# Altium PCB DD2088PoE_Daisy_Chain.PcbDoc (part 4 of 6) (continued)
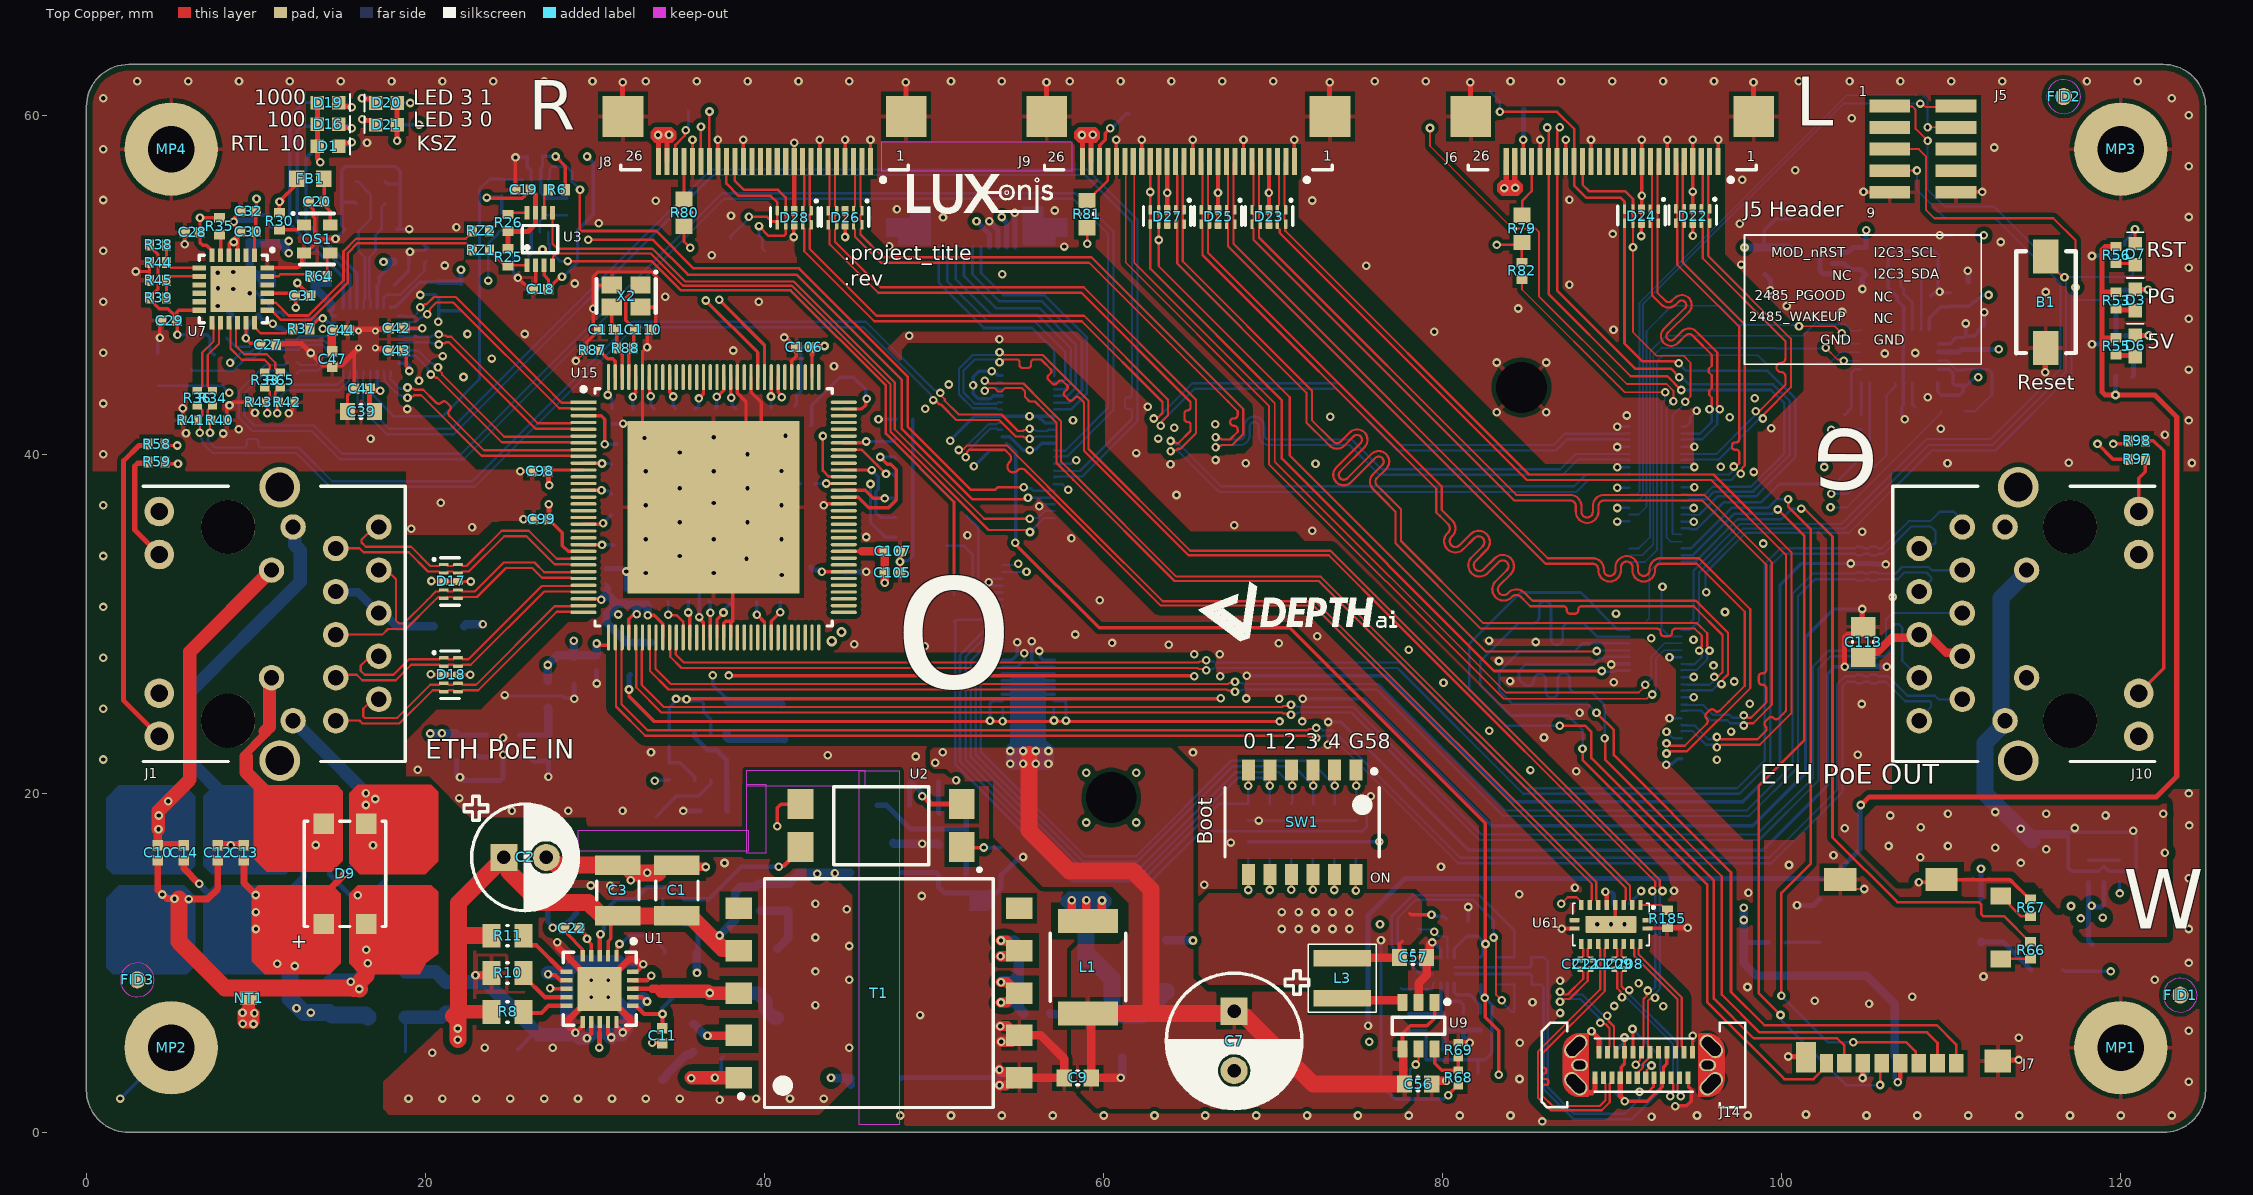
[diagram p0: Top Copper view]
## Nets (pads, with @x,y where several pads share a name; then routed paths per layer and width w, separated by ;. In a path a pad name is that pad's centre, name@x,y a point inside that pad or via, vN(x,y) a via of type N, cw(c..) or ccw(c..) an arc to the next point about the centre after c; other vN are vias at no path point) (continued)
  other v2: 16.05,47.275 17.05,47.275
  other v3: 58.983,18.283 61.917,18.283 58.983,21.217 61.917,21.217 83.183,42.483 86.117,42.483 83.183,45.417 86.117,45.417
GPIO7/sd_hst_cd: J2.59 R66.2 | length 43.2
  Top Copper w0.152: v1(101.15,36.8) 101.2,36.75 101.386,36.75 102.993,35.142 102.993,17.407 106.819,13.581 111.64,13.581 111.76,13.461 111.76,12.88 111.889,12.751 113.124,12.751 114.626,11.25 R66.2@114.676,11.25
  Bottom Copper w0.152: J2.59@94.09,33.65 94.874,33.65 97.395,36.171 99.971,36.171 100.6,36.8 v1(101.15,36.8)
GPIO58: J3.28 R27.1 R63.1 SW1.1 | length 43.4
  Top Copper w0.152: SW1.1@74.885,21.375 74.901,21.359 v1(74.901,20.45)
  Bottom Copper w0.152: R27.1@51.175,30.15 R27.1@51.25,30.075 ; J3.28@54.01,30.25 51.35,30.25 51.25,30.15 R27.1@51.25,30.075 ; v1(74.901,20.45) R63.1@74.9,19.4 R63.1@74.9,19.4 74.95,19.4 75.503,18.847 ; 75.513,18.847 75.513,17.994 75.284,17.765 65.739,17.765 62.803,14.83 58.134,14.83 51.25,21.714 R27.1@51.25,30.075
HSO: R8.2 U1.10 | length 2.7
  Top Copper w0.254: R8.2@25.789,7.109 25.849,7.05 26.84,7.05 27.265,7.475 U1.10@28.323,7.475
I2C0_SCL: J3.34 TP1.1 | length 5.7
  Bottom Copper w0.152: TP1.1@50.75,34.6 51.77,34.6 52.275,34.095 52.275,32.225 53.05,31.45 J3.34@54.01,31.45
I2C0_SDA: J3.36 TP2.1 | length 5.9
  Bottom Copper w0.152: TP2.1@51.925,36.375 52.609,35.691 52.609,32.341 53.1,31.85 J3.36@54.01,31.85
I2C1_SCL: J2.35 J9.20 | length 52.8
  Top Copper w0.102: J9.20@61.75,57.275 61.801,57.224 61.801,51.311 70.1,43.012 70.1,39.568 83.718,25.95 91.575,25.95 91.948,26.323 v1(91.948,26.417)
  Bottom Copper w0.102: v1(91.948,26.417) 92.301,26.77 92.301,28.065 93.086,28.85 J2.35@94.09,28.85
I2C1_SDA: J2.33 J9.21 | length 53.8
  Top Copper w0.102: J9.21@61.25,57.275 61.301,57.224 61.301,51.317 69.75,42.867 69.75,39.424 83.599,25.575 92.042,25.575 92.303,25.837 v1(92.355,25.837)
  Bottom Copper w0.102: v1(92.355,25.837) 92.355,25.873 92.582,26.099 92.582,27.979 93.052,28.45 J2.33@94.09,28.45
I2C2_SCL: J2.77 J6.20 J8.20 | length 91
  Top Copper w0.152: J8.20@36.75,57.275 v1(36.75,60.225) ; v1(86.9,59.3) 86.9,59.204 86.75,59.054 J6.20@86.75,57.275 86.75,49.65 91.347,45.053 93.455,45.053 v1(93.952,44.555)
  Signal Layer 2 w0.152: v1(36.75,60.225) 37.641,61.116 85.084,61.116 v1(86.9,59.3)
  Bottom Copper w0.152: v1(93.952,44.555) 94.049,44.555 94.166,44.438 94.213,44.438 94.526,44.125 99.488,44.125 100.471,43.141 100.471,39.957 98.314,37.8 96,37.8 95.548,37.348 94.548,37.348 94.464,37.264 94.104,37.264 J2.77@94.09,37.25
I2C2_SDA: J2.79 J6.21 J8.21 | length 89.7
  Top Copper w0.15: J8.21@36.25,57.275 v1(36.25,59.325) ; v1(86.175,59.275) 86.162,59.262 86.162,59.138 86.25,59.05 J6.21@86.25,57.275 86.25,49.45 91.094,44.606 93.258,44.606 v1(94.07,43.794)
  Signal Layer 2 w0.15: v1(36.25,59.325) 36.281,59.325 36.75,59.794 37.026,59.794 38.04,60.809 84.641,60.809 v1(86.175,59.275)
  Bottom Copper w0.15: v1(94.07,43.794) 99.378,43.794 100.15,43.022 100.15,40.06 98.177,38.087 95.92,38.087 95.434,37.601 94.453,37.601 94.419,37.635 94.105,37.635 J2.79@94.09,37.65
I2C3_SCL: J2.78 J5.2 | length 35.7
  Top Copper w0.102: v1(108.176,60.69) 108.286,60.69 108.494,60.482 110.217,60.482 J5.2@110.275,60.54
  Bottom Copper w0.102: J2.78@91.01,37.25 91.508,37.25 91.666,37.408 91.81,37.552 91.81,48.855 103.645,60.69 v1(108.176,60.69)
I2C3_SDA: J2.80 J5.4 | length 37.3
  Top Copper w0.102: v1(108.6,59.3) 110.245,59.3 J5.4@110.275,59.27
  Bottom Copper w0.102: J2.80@91.01,37.65 91.47,37.65 91.607,37.787 91.607,48.939 103.852,61.184 108.325,61.184 108.6,60.909 v1(108.6,59.3)
I2C4_SCL1_3v3: RZ2.2 U7.20 | length 15.5
  Top Copper w0.152: U7.20@10.667,49 10.726,48.941 11.176,48.941 11.926,48.191 13.087,48.191 15.164,50.268 15.164,51.973 15.917,52.726 22.376,52.726 22.775,53.125 RZ2.2@22.775,53.175
I2C4_SCL_1V8: J3.59 U3.5 | length 40
  Top Copper w0.127: U3.5@27.5,54.25 27.5,52.408 27.783,52.125 33.389,52.125 35.317,50.197 41.72,50.197 47.68,44.238 47.68,41.471 52.95,36.2 v1(55.652,36.2)
  Bottom Copper w0.127: v1(55.652,36.2) 55.689,36.238 56.096,36.238 56.508,36.65 J3.59@57.09,36.65
I2C4_SCL_3v3: R26.2 RZ2.1 U3.8 | length 2.7
  Top Copper w0.152: RZ2.1@23.775,53.175 23.775,53.225 23.974,53.424 24.024,53.424 24.85,54.25 U3.8@26,54.25
I2C4_SDA1_3v3: RZ1.2 U7.19 | length 15.4
  Top Copper w0.152: U7.19@10.667,48.5 10.917,48.5 10.991,48.426 10.991,48.413 11.467,47.937 13.208,47.937 15.418,50.147 15.418,51.868 16.003,52.453 22.372,52.453 22.526,52.299 22.576,52.299 22.775,52.1 RZ1.2@22.775,52.05
I2C4_SDA_1V8: J3.57 U3.4 | length 39
  Top Copper w0.127: U3.4@27.5,51.15 27.532,51.182 27.532,51.666 27.716,51.85 33.288,51.85 35.195,49.943 41.615,49.943 47.426,44.132 47.426,41.324 53.21,35.54 55.429,35.54 55.553,35.416 v1(55.656,35.416)
  Bottom Copper w0.127: v1(55.656,35.416) 56.489,36.25 J3.57@57.09,36.25
I2C4_SDA_3v3: R25.2 RZ1.1 U3.1 | length 2.6
  Top Copper w0.152: RZ1.1@23.775,52.05 23.775,52 23.974,51.801 24.024,51.801 24.675,51.15 U3.1@26,51.15
ISNS: R13.1 TP10.1 U1.1 U1.8 | length 13.2
  Top Copper w0.203: v1(27.35,8.5) 27.362,8.488 28.311,8.488 U1.8@28.323,8.475 ; U1.1@31.273,10.425 31.296,10.448 31.296,10.962 31.44,11.106 31.44,11.109 v1(31.446,11.115)
  Signal Layer 2 w0.203: v1(27.35,8.5) 26.524,8.5 26.314,8.709 26.314,10.109 26.814,10.609 30.17,10.609 30.676,11.115 v1(31.446,11.115)
  Bottom Copper w0.203: v1(31.446,11.115) 31.528,11.115 32.011,11.598 TP10.1@32.221,11.598 33.106,11.598 33.515,11.189 33.69,11.189 34.113,10.765 R13.1@34.113,10.59
LED0_10_GRN: R70.1 U4.27 | length 11.2
  Bottom Copper w0.2: R70.1@13.75,58.175 13.75,58.125 13.575,57.95 13.425,57.95 12.954,57.479 12.954,53.684 15.95,50.688 U4.27@15.95,48.65
LED0_10_GRN1: D1.1 R70.2 | length 1.9
  Top Copper w0.3: D1.1@14.875,58.125 15.111,58.361 15.617,58.361 v1(15.657,58.4)
  Bottom Copper w0.3: R70.2@14.75,58.125 14.75,58.15 14.875,58.275 15.475,58.275 15.6,58.4 v1(15.657,58.4)
LED1_0: R74.1 U15.105 | length 30.5
  Top Copper w0.2: v1(37.32,49.125) 39.998,46.447 U15.105@39.998,44.552
  Signal Layer 2 w0.2: v1@19.571,59.45 19.571,57.179 22.11,54.64 31.805,54.64 34.605,51.841 v1(37.32,49.125)
  Bottom Copper w0.2: R74.1@18.2,59.438 18.212,59.45 v1(19.621,59.45)
LED1_1: R73.1 R90.2 U15.106 | length 45.1
  Top Copper w0.2: v1(36.536,49.071) 39.598,46.009 U15.106@39.598,44.552
  Signal Layer 2 w0.2: v1@19.05,60.739 19.05,57.013 21.936,54.127 31.48,54.127 34.05,51.557 v1(36.536,49.071) 38.107,47.5 39.231,47.5 40.426,46.305 41.695,46.305 45.926,42.074 v1(46.719,42.074)
  Bottom Copper w0.2: R73.1@18.2,60.725 v1(19.1,60.725) ; v1@46.948,42.067 R90.2@47.75,42.067
LED1_100_OR: R71.1 U4.26 | length 13.2
  Bottom Copper w0.2: R71.1@13.75,59.463 13.635,59.348 13.3,59.348 13.292,59.348 12.715,59.348 12.426,59.059 12.426,53.693 15.55,50.569 U4.26@15.55,48.65
LED1_100_OR1: D16.1 R71.2 | length 1.9
  Top Copper w0.3: D16.1@14.875,59.512 15.111,59.277 15.617,59.277 v1(15.657,59.237)
  Bottom Copper w0.3: R71.2@14.75,59.512 14.75,59.488 14.875,59.363 15.475,59.363 15.6,59.237 v1(15.657,59.237)
LED2_0: R93.2 U15.89 | length 3.7
  Top Copper w0.15: U15.89@44.674,40.277 44.683,40.267 45.742,40.267 46.634,39.376 v1(47.166,38.844)
  Bottom Copper w0.15: v1@47.223,38.842 47.55,38.842 47.75,38.642 R93.2@47.75,38.592
LED2_1: R91.2 U15.90 | length 3.2
  Top Copper w0.2: U15.90@44.674,40.677 45.83,40.677 45.913,40.76 v1(45.997,40.76)
  Bottom Copper w0.2: v1(45.997,40.76) 47.602,40.76 R91.2@47.75,40.908
LED2_1000_GRN: R72.1 U4.25 | length 14.7
  Bottom Copper w0.2: 12.825,60.75 13.1,60.75 R72.1@13.75,60.75 ; 12.828,60.763 12,59.935 12,53.587 15.15,50.437 U4.25@15.15,48.65
LED2_1000_GRN1: D19.1 R72.2 | length 1.9
  Top Copper w0.3: D19.1@14.875,60.75 15.111,60.514 15.617,60.514 v1(15.657,60.475)
  Bottom Copper w0.3: R72.2@14.75,60.75 14.75,60.725 14.875,60.6 15.475,60.6 15.6,60.475 v1(15.657,60.475)
LED3_0: R58.1 U15.85 | length 46.6
  Top Copper w0.15: v1(43.444,41.083) 43.439,41.078 43.439,39.038 43.784,38.693 43.952,38.693 43.959,38.687 44.664,38.687 U15.85@44.674,38.677
  Top Copper w0.2: R58.1@4.675,40.525 4.681,40.519 v1(5.36,40.519)
  Signal Layer 2 w0.2: v1@5.36,40.525 5.437,40.525 5.593,40.369 5.781,40.181 22.904,40.181 27.748,45.025 40.542,45.025 42.081,43.486 42.081,42.445 v1(43.444,41.083)
LED3_0_1: D21.1 R74.2 | length 2.1
  Top Copper w0.3: v1(16.263,59.767) 16.319,59.767 16.399,59.688 16.825,59.688 D21.1@17.075,59.438
  Bottom Copper w0.3: v1(16.263,59.767) 16.303,59.727 16.45,59.727 16.489,59.688 16.899,59.688 16.974,59.613 17.075,59.613 17.2,59.488 R74.2@17.2,59.438
LED3_0_100_OR1: J1.18 R58.2 | length 19
  Top Copper w0.3: R58.2@3.675,40.525 3.1,40.525 2.2,39.625 2.2,25.469 J1.18@4.299,23.37
LED3_1: R59.1 R95.2 U15.86 | length 52.5
  Top Copper w0.15: U15.86@44.674,39.077 44.676,39.075 v1(46.326,39.072) v1(46.326,39.072)
  Top Copper w0.2: R59.1@4.675,39.475 4.7,39.45 v1(5.4,39.45)
  Signal Layer 2 w0.2: v1(5.4,39.45) 5.76,39.81 23.118,39.81 27.92,44.611 40.432,44.611 41.603,43.44 41.603,42.279 43.506,40.377 45.021,40.377 v1(46.326,39.072)
  Bottom Copper w0.2: v1(46.326,39.072) 46.326,39.045 46.704,38.667 46.704,37.942 46.565,37.804 46.565,36.557 46.847,36.275 R95.2@47.75,36.275
LED3_1_1: D20.1 R73.2 | length 2
  Top Copper w0.3: v1(16.255,61.007) 16.295,60.967 16.833,60.967 D20.1@17.075,60.725
  Bottom Copper w0.3: v1(16.255,61.007) 16.829,61.007 16.935,60.9 17.075,60.9 17.2,60.775 R73.2@17.2,60.725
LED3_1_1000_GRN1: J1.16 R59.2 | length 6.7
  Top Copper w0.3: R59.2@3.675,39.475 3.026,39.475 2.85,39.299 2.85,35.539 J1.16@4.299,34.09
LED4_0: R92.2 R97.1 U15.82 | length 86.4
  Top Copper w0.2: U15.82@44.674,37.477 45.517,37.477 46.151,36.842 47.311,36.842 47.775,37.306 47.775,39.097 47.446,39.426 47.245,39.426 v1(46.828,39.843) ; v1(118.625,40.613) 119.539,39.7 R97.1@120.45,39.7
  Signal Layer 2 w0.2: v1(46.828,39.843) 46.881,39.843 47.317,39.407 47.465,39.407 47.813,39.06 47.813,38.88 48.547,38.145 52.282,38.145 55.876,34.552 95.498,34.552 101.58,40.633 118.605,40.633 v1(118.625,40.613)
  Bottom Copper w0.2: v1(46.828,39.843) 47.657,39.843 R92.2@47.75,39.75
LED4_0_100_OR1: J10.18 R97.2 | length 3.2
  Top Copper w0.2: J10.18@121.06,36.63 121.06,38.585 121.45,38.975 R97.2@121.45,39.7
LED4_1: R94.2 R98.1 U15.83 | length 80.9
  Top Copper w0.2: U15.83@44.674,37.877 45.938,37.877 46.417,37.398 v1(47.095,37.398) ; v1(119.547,40.613) 120.275,40.613 120.45,40.788 R98.1@120.45,40.8
  Signal Layer 2 w0.2: v1(47.095,37.398) 47.119,37.422 51.188,37.422 54.559,34.051 95.705,34.051 101.787,40.133 119.103,40.133 119.547,40.577 v1(119.547,40.613)
  Bottom Copper w0.2: v1(47.095,37.398) 47.715,37.398 R94.2@47.75,37.433
LED4_1_1000_GRN1: J10.16 R98.2 | length 16.6
  Top Copper w0.2: J10.16@121.06,25.91 122.525,27.375 122.525,40.2 121.925,40.8 R98.2@121.45,40.8
  Top Copper w0.508: J10.16@121.06,25.91 J10.16@121.396,25.91 ; R98.2@121.45,40.8 121.45,40.766 R98.2@121.471,40.745
LED5_0: U15.102
LED5_1: R96.2 U15.103 | length 13.5
  Top Copper w0.2: U15.103@40.798,44.552 40.798,43.67 41.022,43.446 v1(41.022,43.362)
  Signal Layer 2 w0.2: v1(41.022,43.362) 41.027,43.357 41.027,42.096 43.253,39.871 44.628,39.871 v1(46.248,38.251)
  Bottom Copper w0.2: v1(46.248,38.251) 46.248,36.002 47.133,35.117 R96.2@47.75,35.117
MIPI_C_N: D25.1 D25.10 J2.3 J9.8 | length 59.2
  Top Copper w0.13: J9.8@67.75,57.275 67.665,57.19 67.665,56.466 67.662,56.464 67.662,52.413 86.201,33.874 87.96,33.874 88.844,33.874 cw(c88.844,33.209) 89.509,33.209 89.509,33.164 ccw(c89.849,33.164) 90.189,33.164 90.189,33.332 cw(c90.854,33.332) 91.519,33.332 91.519,33.164 ccw(c91.859,33.164) 92.199,33.164 92.199,33.209 cw(c92.864,33.209) 92.864,33.874 93.091,33.874 95.121,33.874 98.137,30.858 98.137,26.21 94.414,22.488 93.438,22.488 93.302,22.352 v1(93.2,22.352)
  Bottom Copper w0.13: v1(93.2,22.352) 93.302,22.352 93.438,22.488 93.742,22.488 93.755,22.475 94.065,22.475 J2.3@94.09,22.45 J2.3@94.115,22.475
MIPI_C_P: D25.2 D25.9 J2.5 J9.9 | length 59.2
  Top Copper w0.13: J9.9@67.25,57.275 67.335,57.19 67.335,56.466 67.338,56.464 67.338,52.278 86.067,33.549 87.96,33.549 88.844,33.549 cw(c88.844,33.209) 89.184,33.209 89.184,33.164 ccw(c89.849,33.164) 90.514,33.164 90.514,33.332 cw(c90.854,33.332) 91.194,33.332 91.194,33.164 ccw(c91.859,33.164) 92.524,33.164 92.524,33.209 cw(c92.864,33.209) 92.864,33.549 93.091,33.549 94.986,33.549 97.812,30.723 97.812,26.345 96.873,25.406 96.346,24.879 cw(c96.202,25.023) 96.058,24.879 96.032,24.905 ccw(c95.888,24.76) 95.744,24.905 95.551,24.712 ccw(c95.695,24.568) 95.551,24.424 95.577,24.398 cw(c95.433,24.254) 95.577,24.11 94.932,23.465 94.28,22.812 93.438,22.812 93.302,22.948 v1(93.2,22.948)
  Bottom Copper w0.13: v1(93.2,22.948) 93.302,22.948 93.438,22.812 93.742,22.812 93.755,22.825 94.065,22.825 J2.5@94.09,22.85 J2.5@94.115,22.825
MIPI_D0_N: D23.1 D23.10 J2.9 J9.2 | length 59.2
  Top Copper w0.13: J9.2@70.75,57.275 70.665,57.19 70.665,56.466 70.662,56.464 70.662,54.688 70.75,54.6 D23.1@70.75,54.418 70.75,54.235 70.662,54.147 70.662,53.853 70.75,53.765 D23.10@70.75,53.583 70.715,53.548 70.715,53.185 85.088,38.812 95.974,38.812 100.568,34.219 100.568,24.725 98.707,22.864 96.413,22.864 96.277,22.728 v1(96.175,22.728)
  Bottom Copper w0.13: J2.9@94.09,23.65 94.115,23.675 94.425,23.675 94.438,23.688 94.712,23.688 95.536,22.864 95.937,22.864 96.073,22.728 v1(96.175,22.728)
MIPI_D0_P: D23.2 D23.9 J2.11 J9.3 | length 59.2
  Top Copper w0.13: J9.3@70.25,57.275 70.335,57.19 70.335,56.466 70.338,56.464 70.338,54.688 70.25,54.6 D23.2@70.25,54.418 70.25,54.235 70.338,54.147 70.338,53.853 70.25,53.765 D23.9@70.25,53.583 70.25,53.4 70.39,53.26 70.39,53.05 84.953,38.488 95.84,38.488 100.243,34.084 100.243,24.86 100.084,24.701 99.815,24.432 cw(c99.671,24.576) 99.527,24.432 99.517,24.442 ccw(c99.372,24.298) 99.228,24.442 99.036,24.25 ccw(c99.18,24.106) 99.036,23.962 99.046,23.951 cw(c98.902,23.807) 99.046,23.663 99,23.617 98.572,23.189 96.413,23.189 96.277,23.325 v1(96.175,23.325)
  Bottom Copper w0.13: J2.11@94.09,24.05 94.115,24.025 94.425,24.025 94.438,24.012 94.847,24.012 95.67,23.189 95.937,23.189 96.073,23.325 v1(96.175,23.325)
MIPI_D1_N: D23.4 D23.7 J2.15 J9.5 | length 59.3
  Top Copper w0.13: J9.5@69.25,57.275 69.165,57.19 69.165,56.466 69.162,56.464 69.162,56.009 69.162,54.688 69.25,54.6 D23.4@69.25,54.418 69.25,54.235 69.162,54.147 69.162,53.853 69.25,53.765 D23.7@69.25,53.583 69.25,53.4 69.162,53.312 69.162,52.788 84.342,37.608 85.706,37.608 87.515,37.608 cw(c87.515,36.943) 88.179,36.943 88.179,36.62 ccw(c88.519,36.62) 88.859,36.62 88.859,36.943 cw(c89.524,36.943) 89.524,37.608 89.752,37.608 95.427,37.608 99.408,33.627 99.408,25.225 98.322,24.139 97.988,24.139 97.852,24.003 v1(97.75,24.003)
  Bottom Copper w0.13: J2.15@94.09,24.85 94.115,24.875 94.425,24.875 94.438,24.888 95.235,24.888 95.804,24.318 96.783,24.318 96.962,24.139 97.512,24.139 97.648,24.003 v1(97.75,24.003)
MIPI_D1_P: D23.5 D23.6 J2.17 J9.6 | length 59.3
  Top Copper w0.13: J9.6@68.75,57.275 68.835,57.19 68.835,56.466 68.838,56.464 68.838,55.874 68.838,54.688 68.75,54.6 D23.5@68.75,54.418 68.75,54.235 68.838,54.147 68.838,53.853 68.75,53.765 D23.6@68.75,53.583 68.75,53.4 68.838,53.312 68.838,52.653 84.207,37.283 85.706,37.283 87.515,37.283 cw(c87.515,36.943) 87.855,36.943 87.855,36.62 ccw(c88.519,36.62) 89.184,36.62 89.184,36.943 cw(c89.524,36.943) 89.524,37.283 89.752,37.283 95.292,37.283 99.083,33.492 99.083,28.032 99.083,27.287 cw(c98.879,27.287) 98.879,27.083 98.843,27.083 ccw(c98.843,26.879) 98.639,26.879 98.639,26.607 ccw(c98.843,26.607) 98.843,26.403 98.879,26.403 cw(c98.879,26.199) 99.083,26.199 99.083,25.863 99.083,25.36 98.188,24.464 97.988,24.464 97.852,24.6 v1(97.75,24.6)
  Bottom Copper w0.13: J2.17@94.09,25.25 94.115,25.225 94.425,25.225 94.438,25.212 95.37,25.212 95.939,24.643 96.917,24.643 97.096,24.464 97.512,24.464 97.648,24.6 v1(97.75,24.6)
MIPI_D2_N: D25.4 D25.7 J2.21 J9.11 | length 59.2
  Top Copper w0.13: J9.11@66.25,57.275 66.165,57.19 66.165,56.466 66.162,56.464 66.162,51.888 79.942,38.108 79.942,36.807 79.942,36.717 80.106,36.553 80.555,36.104 cw(c80.086,35.633) 80.555,35.163 80.511,35.118 ; 80.51,35.118 ccw(c80.75,34.877) 80.51,34.636 ccw(c80.75,34.877) 80.991,34.637 81.696,35.341 81.701,35.341 cw(c82.118,34.823) 82.588,35.294 ; 81.931,33.697 ccw(c82.172,33.456) 82.413,33.216 83.117,33.92 83.122,33.92 cw(c83.539,33.402) 84.009,33.873 ; 81.932,33.697 82.588,34.353 ccw(c82.118,34.823) 82.589,35.293 ; 83.353,32.275 ccw(c83.593,32.035) 83.352,31.794 ccw(c83.593,32.035) 83.834,31.795 83.878,31.839 cw(c84.349,31.37) 84.766,31.888 84.772,31.888 84.98,31.679 85.295,31.365 94.944,31.365 96.825,29.484 96.825,27.018 96.52,26.713 96.52,26.52 v1(96.448,26.448) ; 83.353,32.276 84.009,32.931 ccw(c83.539,33.402) 84.01,33.872
  Bottom Copper w0.13: J2.21@94.09,26.05 94.115,26.075 94.425,26.075 94.438,26.088 95.895,26.088 96.183,26.376 96.375,26.376 v1(96.448,26.448)
MIPI_D2_P: D25.5 D25.6 J2.23 J9.12 | length 59.2
  Top Copper w0.13: J9.12@65.75,57.275 65.835,57.19 65.835,56.466 65.838,56.464 65.838,51.753 79.618,37.973 79.618,36.583 79.668,36.532 79.828,36.372 ccw(c79.944,36.486) 79.829,36.371 80.326,35.874 cw(c80.086,35.633) 80.326,35.392 ; 80.326,35.392 80.233,35.299 80.233,35.294 ccw(c80.75,34.877) 80.279,34.408 ccw(c80.75,34.877) 80.28,34.407 ccw(c80.75,34.877) 80.282,34.405 ccw(c80.75,34.877) 81.221,34.407 81.877,35.063 ; 81.877,35.064 cw(c82.118,34.823) 82.359,35.064 cw(c82.118,34.823) 82.358,34.582 81.654,33.878 81.654,33.873 ccw(c82.172,33.456) 82.642,32.986 83.298,33.642 ; 83.298,33.642 cw(c83.539,33.402) 83.78,33.643 cw(c83.539,33.402) 83.779,33.161 83.075,32.457 83.075,32.452 ccw(c83.593,32.035) 83.121,31.566 ccw(c83.593,32.035) 83.123,31.565 ccw(c83.593,32.035) 83.124,31.563 ccw(c83.593,32.035) 84.063,31.565 84.108,31.61 cw(c84.349,31.37) 84.589,31.611 ; 84.59,31.61 84.75,31.45 85.16,31.04 86.367,31.04 87.112,31.04 cw(c87.112,30.836) 87.316,30.836 87.316,30.8 ccw(c87.52,30.8) 87.52,30.596 87.792,30.596 ccw(c87.792,30.8) 87.996,30.8 87.996,30.836 cw(c88.2,30.836) 88.2,31.04 90.3,31.04 94.809,31.04 96.5,29.349 96.5,27.152 96.29,26.943 96.098,26.943 v1(96.025,26.87)
  Bottom Copper w0.13: J2.23@94.09,26.45 94.115,26.425 94.425,26.425 94.438,26.412 95.76,26.412 95.953,26.606 95.953,26.798 v1(96.025,26.87)
MIPI_D3_N: D27.1 D27.10 J2.27 J9.14 | length 59.2
  Top Copper w0.13: J9.14@64.75,57.275 64.665,57.19 64.665,56.466 64.662,56.464 64.662,51.388 72.284,43.766 72.284,42.017 73.396,40.904 73.51,40.791 73.557,40.744 ; 73.557,40.743 ccw(c73.762,40.949) 73.967,40.744 ; 73.968,40.744 74.514,41.291 cw(c74.949,40.856) 75.33,41.338 75.336,41.338 75.432,41.243 75.432,41.237 cw(c74.949,40.856) 75.383,40.42 ; 75.383,40.42 73.957,38.995 ccw(c74.162,38.789) 74.366,38.583 75.794,40.011 cw(c76.229,39.576) 76.664,40.011 cw(c76.229,39.576) 76.663,39.141 76.117,38.595 ; 76.116,38.184 cw(c76.322,38.389) 76.116,38.594 ; 76.117,38.184 76.503,37.798 76.616,37.685 77.545,36.755 77.545,34.884 82.385,30.045 94.24,30.045 94.998,30.045 95.6,29.443 95.6,28.663 95.736,28.527 v1(95.736,28.425)
  Bottom Copper w0.13: J2.27@94.09,27.25 94.115,27.275 94.425,27.275 94.438,27.288 94.993,27.288 95.6,27.895 95.6,28.187 95.736,28.323 v1(95.736,28.425)
MIPI_D3_P: D27.2 D27.9 J2.29 J9.15 | length 59.2
  Top Copper w0.13: J9.15@64.25,57.275 64.335,57.19 64.335,56.466 64.338,56.464 64.338,51.253 71.959,43.632 71.959,41.882 73.167,40.675 73.28,40.561 73.327,40.515 ccw(c73.762,40.949) 74.198,40.514 74.743,41.06 ; 74.744,41.061 cw(c74.949,40.856) 75.155,40.652 73.727,39.224 ccw(c74.162,38.789) 73.727,38.354 ccw(c74.162,38.789) 74.597,38.355 76.023,39.781 cw(c76.229,39.576) 76.433,39.782 ; 76.435,39.781 cw(c76.229,39.576) 76.435,39.372 75.887,38.825 ccw(c76.322,38.389) 75.888,37.954 76.273,37.568 76.386,37.455 77.221,36.621 77.221,34.75 82.25,29.72 91.9,29.72 92.645,29.72 cw(c92.645,29.516) 92.849,29.516 92.849,29.478 ccw(c93.053,29.478) 93.053,29.274 93.325,29.274 ccw(c93.325,29.478) 93.529,29.478 93.529,29.516 cw(c93.733,29.516) 93.733,29.72 94.24,29.72 94.863,29.72 95.275,29.308 95.275,28.663 95.139,28.527 v1(95.139,28.425)
  Bottom Copper w0.13: J2.29@94.09,27.65 94.115,27.625 94.425,27.625 94.438,27.612 94.858,27.612 95.275,28.029 95.275,28.187 95.139,28.323 v1(95.139,28.425)
MODULE_nRST: B1.2 J2.39 J5.1 Q4.1 | length 59.5
  Top Copper w0.12: J5.1@106.375,60.54 106.389,60.526 107.685,60.526 107.9,60.311 107.9,59.2 v1(108.6,58.5) ; B1.2@115.575,51.675 115.575,51.425 116.473,50.527 116.601,50.527 v1(116.675,50.452)
  Bottom Copper w0.12: J2.39@94.09,29.65 94.589,29.65 95.132,30.193 95.132,33.032 97.729,35.629 103.73,35.629 108.647,40.546 112.428,40.546 116.76,44.878 116.76,50.188 116.749,50.199 116.749,50.378 116.684,50.444 112.504,54.624 109.586,54.624 108.6,55.609 v1(108.6,58.5) ; v1@116.692,50.452 120.556,50.452 120.725,50.622 Q4.1@120.725,51.146
NetC4_1: C4.1 D4.1 R4.1 | length 4.2
  Bottom Copper w0.5: C4.1@39.749,13.075 R4.1@41.4,13.075 41.4,11.471 40.761,10.832 D4.1@40.75,10.832
NetC5_1: C5.1 R5.1 | length 1.8
  Bottom Copper w0.508: C5.1@56.855,7.024 56.904,6.975 58.55,6.975 R5.1@58.6,6.925
NetC6_2: C6.2 D5.1 L1.1 R5.2 | length 15.9
  Top Copper w0.5: v1(58.125,13.7) 58.125,12.93 58.575,12.48 L1.1@59.075,12.48 ; v1(58.986,13.693) 58.986,12.569 L1.1@59.075,12.48 ; v1(59.901,13.683) 59.901,12.93 59.451,12.48 L1.1@59.075,12.48
  Bottom Copper w1: 58.973,13.139 D5.1@58.973,10.25 59.32,10.25 60.5,9.07 R5.2@60.5,6.925 62.3,6.925 63.3,7.925 63.3,8.25 63.375,8.325 C6.2@63.7,8.325
NetC23_1: C23.1 U2.2 U5.2 | length 5.1
  Top Copper w0.3: v1(49.311,19.833) 49.368,19.833 49.821,19.38 51.625,19.38 U2.2@51.635,19.37
  Bottom Copper w0.3: U5.2@48.548,19.3 48.548,20.597 48.633,20.682 48.633,20.668 49.271,20.029 49.271,19.873 v1(49.311,19.833)
NetC23_2: C23.2 R17.2 | length 1.9
  Bottom Copper w0.3: C23.2@50.251,20.7 50.251,18.872 R17.2@50.298,18.825
NetC24_2: C24.2 R18.1 | length 1.6
  Bottom Copper w0.2: R18.1@33.998,13.75 33.998,12.675 C24.2@34.373,12.3
NetC50_2: C50.2 J1.4 J1.5 | length 6.9
  Bottom Copper w0.508: J1.4@14.519,31.715 J1.4@14.709,31.905 14.742,31.872 16.012,31.872 J1.5@17.249,30.635 17.518,30.635 18.304,29.849 C50.2@20.475,29.849